# Altium PCB GE21_M1_pku_f100.PcbDoc (part 7 of 19)
Units mm, origin at the board's own origin, x right, y up, seen from the top; angles counter-clockwise.
Board outline 423.9 x 668.59 mm, 8 copper layers (Top Layer, Signal 1, DGNG1, POWER, AGND, DGND2, Signal 2, Bottom Layer), stack 1.03 mm thick; 171 components, 336 nets, 2040 pads, 4872 vias.
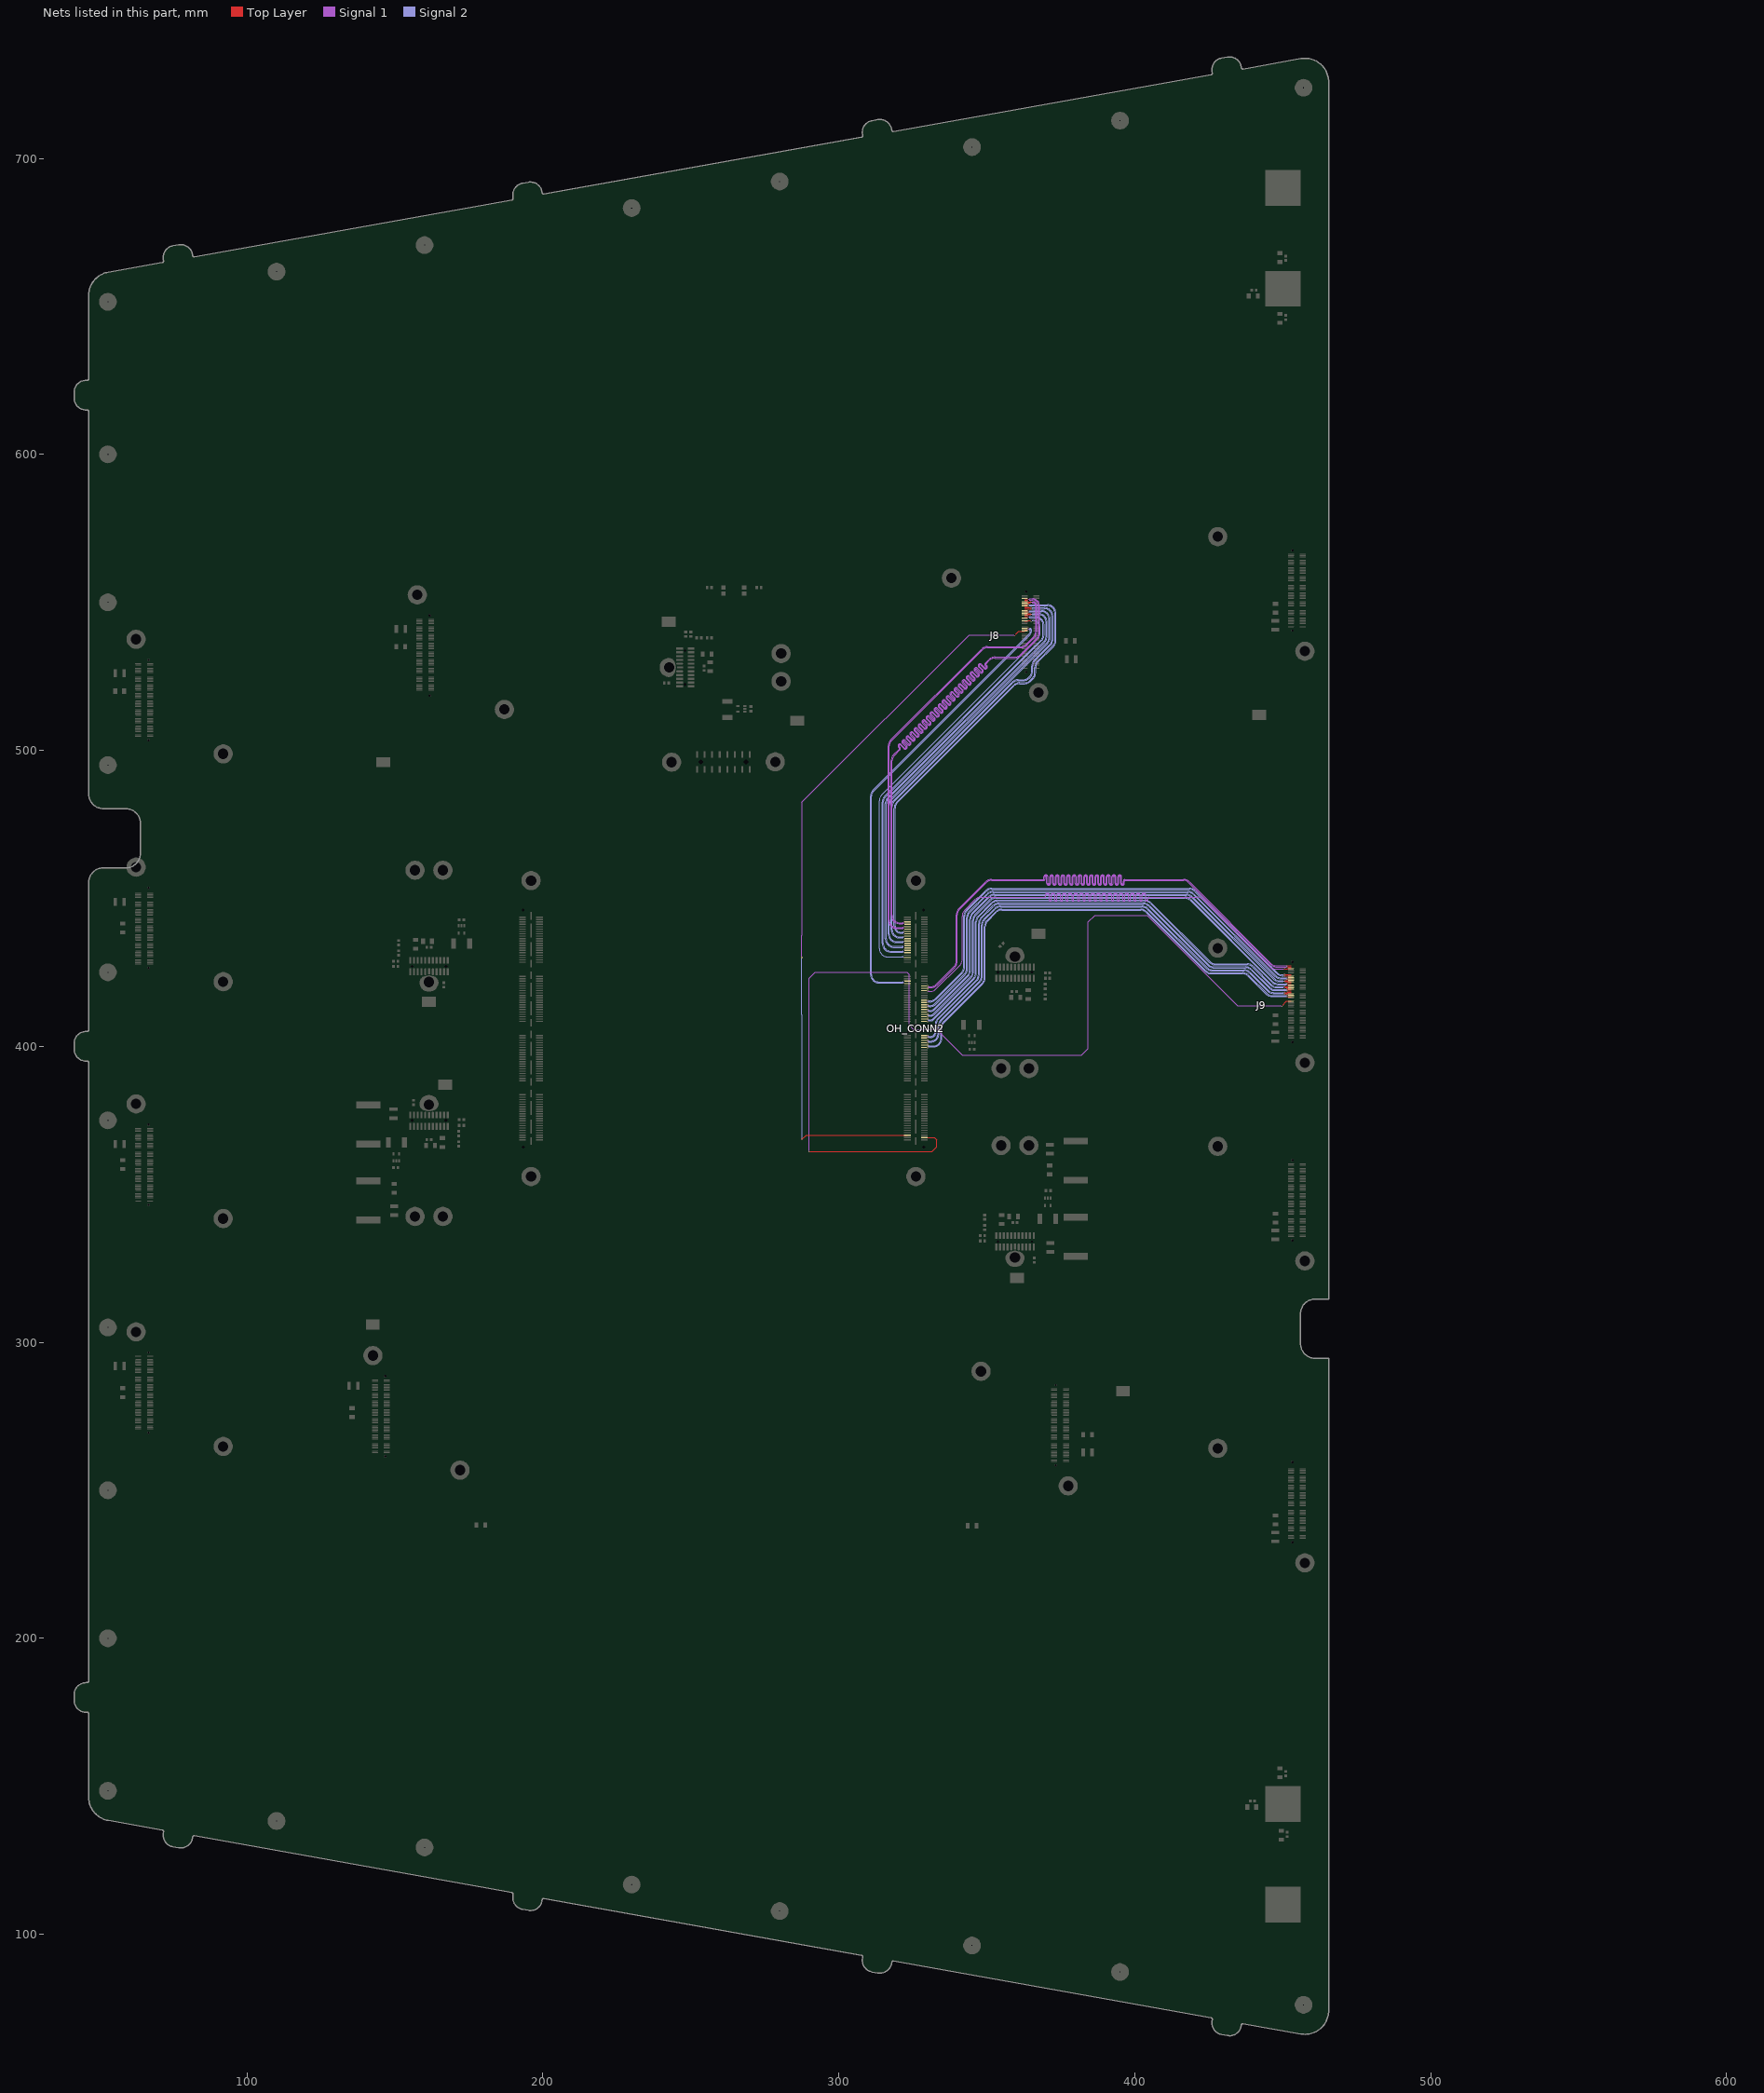
[diagram p13: the nets of this part, all layers, seen from the top]

## Via types
v1: diameter 0.508, hole 0.203, Top Layer to Bottom Layer, tented both sides, 1688 vias
v2: diameter 0.402/0.402/0.402/0.201 (per signal layer), hole 0.201, Top Layer to Bottom Layer, tented both sides, 1040 vias
v3: diameter 0.507, hole 0.202, Top Layer to Bottom Layer, tented both sides, 780 vias
v4: diameter 0.4, hole 0, Top Layer to Bottom Layer, tented both sides, 438 vias
v5: diameter 0.4, hole 0.2, Top Layer to Bottom Layer, tented both sides, 288 vias
v6: diameter 0.51, hole 0.204, Top Layer to Bottom Layer, tented both sides, 288 vias
v7: diameter 0.6/0.4/0.4/0.4 (per signal layer), hole 0.3, Top Layer to Bottom Layer, tented both sides, 254 vias
v8: diameter 0.402, hole 0.201, Top Layer to Bottom Layer, tented both sides, 96 vias

## Nets (pads, with @x,y where several pads share a name; then routed paths per layer and width w, separated by ;. In a path a pad name is that pad's centre, name@x,y a point inside that pad or via, vN(x,y) a via of type N, cw(c..) or ccw(c..) an arc to the next point about the centre after c; other vN are vias at no path point) (continued)
J8D3_P: J8.66 OH_CONN2.125 | length 147.3
  Top Layer w0.115: J8.66@362.75,543.75 363.8,543.75 363.875,543.825 364.698,543.825 cw(c364.698,543.398) v5(365,543.7)
  Signal 2 w0.115: v6(322,430) ccw(c321.457,429.457) 321.457,430.225 316.54,430.225 cw(c316.54,433.115) 313.65,433.115 313.65,482.953 cw(c316.54,482.953) 314.496,484.996 357.5,528 367.256,537.756 ccw(c365.46,539.552) 368,539.552 368,541.325 ccw(c365.5,541.325) 365.5,543.825 365.302,543.825 ccw(c365.302,543.398) v5(365,543.7)
  other v4: 364.93,543.7 365.07,543.7
J8D4_N: J8.72 OH_CONN2.131 | length 146.7
  Top Layer w0.115: v4@363.95,545.25 v5(364,545.3)
  Top Layer w0.25: J8.72@362.75,545.25 v4@363.95,545.25
  Signal 2 w0.115: v6(322,432.4) cw(c321.457,432.943) 321.457,432.175 317.54,432.175 cw(c317.54,434.715) 315,434.715 315,482.453 cw(c317.54,482.453) 315.744,484.249 368.504,537.009 ccw(c366.46,539.052) 369.35,539.052 369.35,542.285 ccw(c366.46,542.285) 366.46,545.175 364.302,545.175 cw(c364.302,545.602) v5(364,545.3)
  other v4: 364.07,545.3
J8D4_P: J8.70 OH_CONN2.129 | length 146.7
  Top Layer w0.115: v4@363.95,544.75 v5(364,544.7)
  Top Layer w0.25: J8.70@362.75,544.75 v4@363.95,544.75
  Signal 2 w0.115: v6(322,431.6) ccw(c321.457,431.057) 321.457,431.825 317.54,431.825 cw(c317.54,434.715) 314.65,434.715 314.65,482.453 cw(c317.54,482.453) 315.496,484.496 365,534 368.256,537.256 ccw(c366.46,539.052) 369,539.052 369,542.285 ccw(c366.46,542.285) 366.46,544.825 364.302,544.825 ccw(c364.302,544.398) v5(364,544.7)
  other v4: 364.07,544.7
J8D5_N: J8.76 OH_CONN2.135 | length 146.1
  Top Layer w0.115: J8.76@362.75,546.25 363.8,546.25 363.875,546.175 364.698,546.175 ccw(c364.698,546.602) v5(365,546.3)
  Signal 2 w0.115: v6(322,434) cw(c321.457,434.543) 321.457,433.775 318.54,433.775 cw(c318.54,436.315) 316,436.315 316,481.953 cw(c318.54,481.953) 316.744,483.749 369.504,536.509 ccw(c367.46,538.552) 370.35,538.552 370.35,543.285 ccw(c367.46,543.285) 367.46,546.175 365.302,546.175 cw(c365.302,546.602) v5(365,546.3)
  other v4: 364.93,546.3 365.07,546.3
J8D5_P: J8.74 OH_CONN2.133 | length 146.1
  Top Layer w0.115: J8.74@362.75,545.75 363.8,545.75 363.875,545.825 364.698,545.825 cw(c364.698,545.398) v5(365,545.7)
  Signal 2 w0.115: v6(322,433.2) ccw(c321.457,432.657) 321.457,433.425 318.54,433.425 cw(c318.54,436.315) 315.65,436.315 315.65,481.953 cw(c318.54,481.953) 316.496,483.996 365.5,533 369.256,536.756 ccw(c367.46,538.552) 370,538.552 370,543.285 ccw(c367.46,543.285) 367.46,545.825 365.302,545.825 ccw(c365.302,545.398) v5(365,545.7)
  other v4: 364.93,545.7 365.07,545.7
J8D6_N: J8.80 OH_CONN2.139 | length 145.5
  Top Layer w0.115: v4@363.95,547.25 v5(364,547.3)
  Top Layer w0.25: J8.80@362.75,547.25 v4@363.95,547.25
  Signal 2 w0.115: v6(322,435.6) cw(c321.457,436.143) 321.457,435.375 319.54,435.375 cw(c319.54,437.915) 317,437.915 317,481.453 cw(c319.54,481.453) 317.744,483.249 370.504,536.009 ccw(c368.46,538.052) 371.35,538.052 371.35,544.285 ccw(c368.46,544.285) 368.46,547.175 364.302,547.175 cw(c364.302,547.602) v5(364,547.3)
  other v4: 364.07,547.3
J8D6_P: J8.78 OH_CONN2.137 | length 145.5
  Top Layer w0.115: v4@363.95,546.75 v5(364,546.7)
  Top Layer w0.25: J8.78@362.75,546.75 v4@363.95,546.75
  Signal 2 w0.115: v6(322,434.8) ccw(c321.457,434.257) 321.457,435.025 319.54,435.025 cw(c319.54,437.915) 316.65,437.915 316.65,481.453 cw(c319.54,481.453) 317.496,483.496 370.256,536.256 ccw(c368.46,538.052) 371,538.052 371,544.285 ccw(c368.46,544.285) 368.46,546.825 364.302,546.825 ccw(c364.302,546.398) v5(364,546.7)
  other v4: 364.07,546.7
J8D7_N: J8.84 OH_CONN2.143 | length 146.8
  Top Layer w0.115: J8.84@362.75,548.25 363.8,548.25 363.875,548.175 364.698,548.175 ccw(c364.698,548.602) v5(365,548.3)
  Signal 2 w0.115: v6(322,437.2) cw(c321.457,437.743) 321.457,436.975 320.54,436.975 cw(c320.54,439.515) 318,439.515 318,480.948 cw(c320.54,480.948) 318.744,482.744 358.756,522.756 cw(c360.552,520.96) 360.552,523.5 362.298,523.5 ccw(c362.298,526.39) 364.341,524.346 364.654,524.659 ccw(c362.61,526.702) 365.5,526.702 365.5,528.453 cw(c368.04,528.453) 366.244,530.249 371.504,535.509 ccw(c369.46,537.552) 372.35,537.552 372.35,545.285 ccw(c369.46,545.285) 369.46,548.175 365.302,548.175 cw(c365.302,548.602) v5(365,548.3)
  other v4: 364.93,548.3 365.07,548.3
J8D7_P: J8.82 OH_CONN2.141 | length 146.8
  Top Layer w0.115: J8.82@362.75,547.75 363.8,547.75 363.875,547.825 364.698,547.825 cw(c364.698,547.398) v5(365,547.7)
  Signal 2 w0.115: v6(322,436.4) ccw(c321.457,435.857) 321.457,436.625 320.54,436.625 cw(c320.54,439.515) 317.65,439.515 317.65,480.948 cw(c320.54,480.948) 318.496,482.991 358.509,523.004 cw(c360.552,520.96) 360.552,523.85 362.298,523.85 ccw(c362.298,526.39) 364.094,524.594 364.406,524.906 ccw(c362.61,526.702) 365.15,526.702 365.15,528.453 cw(c368.04,528.453) 365.996,530.496 371.256,535.756 ccw(c369.46,537.552) 372,537.552 372,545.285 ccw(c369.46,545.285) 369.46,547.825 365.302,547.825 ccw(c365.302,547.398) v5(365,547.7)
  other v4: 364.93,547.7 365.07,547.7
J8D8_N: J8.88 OH_CONN2.147 | length 146.4
  Top Layer w0.115: v4@363.95,549.25 v5(364,549.3)
  Top Layer w0.25: J8.88@362.75,549.25 v4@363.95,549.25
  Signal 2 w0.115: v6(322,438.8) cw(c321.457,439.343) 321.457,438.575 321,438.575 cw(c321,440.575) 319,440.575 319,480.448 cw(c321.54,480.448) 319.744,482.244 359.256,521.756 cw(c361.052,519.96) 361.052,522.5 362.798,522.5 ccw(c362.798,525.39) 364.841,523.346 365.796,524.301 ccw(c364.098,526) 366.5,526 366.5,527.953 cw(c369.04,527.953) 367.244,529.749 372.504,535.009 ccw(c370.46,537.052) 373.35,537.052 373.35,546.285 ccw(c370.46,546.285) 370.46,549.175 364.302,549.175 cw(c364.302,549.602) v5(364,549.3)
  other v4: 364.07,549.3
J8D8_P: J8.86 OH_CONN2.145 | length 146.4
  Top Layer w0.115: v4@363.95,548.75 v5(364,548.7)
  Top Layer w0.25: J8.86@362.75,548.75 v4@363.95,548.75
  Signal 2 w0.115: v6(322,438) ccw(c321.457,437.457) 321.457,438.225 321,438.225 cw(c321,440.575) 318.65,440.575 318.65,480.448 cw(c321.54,480.448) 319.496,482.491 359.009,522.004 cw(c361.052,519.96) 361.052,522.85 362.798,522.85 ccw(c362.798,525.39) 364.594,523.594 365.549,524.549 ccw(c364.098,526) 366.15,526 366.15,527.953 cw(c369.04,527.953) 366.996,529.996 372.256,535.256 ccw(c370.46,537.052) 373,537.052 373,546.285 ccw(c370.46,546.285) 370.46,548.825 364.302,548.825 ccw(c364.302,548.398) v5(364,548.7)
  other v4: 364.07,548.7
J8Reset: J8.52 OH_CONN2.5 | length 249.4
  Top Layer w0.2: v1(287.5,368.5) 289,370 OH_CONN2.5@323.135,370 ; v1(359.5,539) 360.75,540.25 J8.52@362.75,540.25
  Signal 1 w0.2: v1(287.5,430) 287.5,437.5 287.5,482.5 344,539 v1(359.5,539)
  Signal 2 w0.2: v1(287.5,368.5) 287.5,410.75 v1(287.5,430)
J8RXD_N: J8.96 OH_CONN2.155 | length 234.5
  Top Layer w0.115: v4@363.95,551.25 v5(364,551.3)
  Top Layer w0.25: J8.96@362.75,551.25 v4@363.95,551.25
  Signal 1 w0.115: v6(322,442) cw(c321.457,442.543) 321.457,441.775 320.54,441.775 cw(c320.54,444.315) 318,444.315 318,496.448 cw(c320.54,496.448) 318.744,498.244 320.692,500.192 ccw(c320.297,500.586) 320.855,500.586 ccw(c320.297,500.586) 320.692,500.981 320.336,501.337 cw(c320.483,501.484) 320.336,501.632 320.471,501.767 cw(c320.618,501.62) 320.766,501.767 322.02,500.513 ccw(c322.414,500.908) 322.809,500.513 322.945,500.649 ccw(c322.55,501.043) 323.108,501.043 ccw(c322.55,501.043) 322.945,501.438 321.69,502.692 cw(c321.838,502.839) 321.69,502.986 321.826,503.122 cw(c321.973,502.975) 322.12,503.122 323.374,501.868 ccw(c323.769,502.263) 324.164,501.868 324.299,502.003 ccw(c323.905,502.398) 324.463,502.398 ccw(c323.905,502.398) 324.299,502.793 323.045,504.047 cw(c323.192,504.194) 323.045,504.341 323.181,504.477 cw(c323.328,504.33) 323.475,504.477 324.729,503.223 ccw(c325.124,503.617) 325.519,503.223 325.654,503.358 ccw(c325.259,503.753) 325.818,503.753 ccw(c325.259,503.753) 325.654,504.148 324.4,505.402 cw(c324.547,505.549) 324.4,505.696 324.536,505.832 cw(c324.683,505.684) 324.83,505.832 326.084,504.577 ccw(c326.479,504.972) 326.874,504.577 327.009,504.713 ccw(c326.614,505.108) 327.173,505.108 ccw(c326.614,505.108) 327.009,505.502 325.755,506.756 cw(c325.902,506.904) 325.755,507.051 325.89,507.186 cw(c326.038,507.039) 326.185,507.186 327.439,505.932 ccw(c327.834,506.327) 328.228,505.932 328.364,506.068 ccw(c327.969,506.462) 328.527,506.462 ccw(c327.969,506.462) 328.364,506.857 327.11,508.111 cw(c327.257,508.259) 327.11,508.406 ; 327.11,508.406 327.245,508.541 cw(c327.392,508.394) 327.54,508.541 328.794,507.287 ccw(c329.188,507.682) 329.583,507.287 329.719,507.423 ccw(c329.324,507.817) 329.882,507.817 ccw(c329.324,507.817) 329.719,508.212 328.465,509.466 cw(c328.612,509.613) 328.465,509.761 328.6,509.896 cw(c328.747,509.749) 328.894,509.896 330.149,508.642 ccw(c330.543,509.037) 330.938,508.642 331.073,508.777 ccw(c330.679,509.172) 331.237,509.172 ccw(c330.679,509.172) 331.073,509.567 329.819,510.821 cw(c329.967,510.968) 329.819,511.115 329.955,511.251 cw(c330.102,511.104) 330.249,511.251 331.503,509.997 ccw(c331.898,510.391) 332.293,509.997 332.428,510.132 ccw(c332.034,510.527) 332.592,510.527 ccw(c332.034,510.527) 332.428,510.922 331.174,512.176 cw(c331.321,512.323) 331.174,512.47 331.31,512.606 cw(c331.457,512.458) 331.604,512.606 332.858,511.352 ccw(c333.253,511.746) 333.648,511.352 333.783,511.487 ccw(c333.388,511.882) 333.947,511.882 ccw(c333.388,511.882) 333.783,512.276 332.529,513.531 cw(c332.676,513.678) 332.529,513.825 332.664,513.96 cw(c332.812,513.813) 332.959,513.96 334.213,512.706 ccw(c334.608,513.101) 335.002,512.706 335.138,512.842 ccw(c334.743,513.237) 335.301,513.237 ccw(c334.743,513.237) 335.138,513.631 333.884,514.885 cw(c334.031,515.033) 333.884,515.18 334.019,515.315 cw(c334.166,515.168) 334.314,515.315 335.568,514.061 ccw(c335.963,514.456) 336.357,514.061 336.493,514.197 ccw(c336.098,514.591) 336.656,514.591 ccw(c336.098,514.591) 336.493,514.986 335.239,516.24 cw(c335.386,516.387) 335.239,516.535 335.374,516.67 cw(c335.521,516.523) 335.669,516.67 336.923,515.416 ccw(c337.317,515.811) 337.712,515.416 337.848,515.551 ccw(c337.453,515.946) 338.011,515.946 ccw(c337.453,515.946) 337.848,516.341 336.593,517.595 cw(c336.741,517.742) 336.593,517.889 336.729,518.025 cw(c336.876,517.878) 337.023,518.025 338.277,516.771 ccw(c338.672,517.166) 339.067,516.771 339.202,516.906 ccw(c338.808,517.301) 339.366,517.301 ccw(c338.808,517.301) 339.202,517.696 337.948,518.95 cw(c338.095,519.097) 337.948,519.244 338.084,519.38 cw(c338.231,519.233) 338.378,519.38 339.632,518.126 ccw(c340.027,518.52) 340.422,518.126 340.557,518.261 ccw(c340.162,518.656) 340.721,518.656 ccw(c340.162,518.656) 340.557,519.051 339.303,520.305 cw(c339.45,520.452) 339.303,520.599 339.438,520.734 cw(c339.586,520.587) 339.733,520.735 340.987,519.48 ccw(c341.382,519.875) 341.776,519.48 341.912,519.616 ccw(c341.517,520.011) 342.075,520.011 ccw(c341.517,520.011) 341.912,520.405 340.658,521.659 cw(c340.805,521.807) 340.658,521.954 340.793,522.089 cw(c340.941,521.942) 341.088,522.089 342.342,520.835 ccw(c342.737,521.23) 343.131,520.835 343.267,520.971 ccw(c342.872,521.365) 343.43,521.365 ccw(c342.872,521.365) 343.267,521.76 342.013,523.014 cw(c342.16,523.162) 342.013,523.309 342.148,523.444 cw(c342.295,523.297) 342.443,523.444 343.697,522.19 ccw(c344.091,522.585) 344.486,522.19 344.622,522.326 ccw(c344.227,522.72) 344.785,522.72 ccw(c344.227,522.72) 344.622,523.115 343.367,524.369 cw(c343.515,524.516) 343.367,524.664 343.503,524.799 cw(c343.65,524.652) 343.797,524.799 345.052,523.545 ccw(c345.446,523.94) 345.841,523.545 345.976,523.68 ccw(c345.582,524.075) 346.14,524.075 ccw(c345.582,524.075) 345.976,524.47 344.722,525.724 cw(c344.87,525.871) 344.722,526.018 344.858,526.154 cw(c345.005,526.007) 345.152,526.154 346.406,524.9 ccw(c346.801,525.294) 347.196,524.9 347.331,525.035 ccw(c346.937,525.43) 347.495,525.43 ccw(c346.937,525.43) 347.331,525.825 346.077,527.079 cw(c346.224,527.226) 346.077,527.373 ; 346.077,527.373 346.213,527.509 cw(c346.36,527.361) 346.507,527.509 347.761,526.255 ccw(c348.156,526.649) 348.551,526.255 348.686,526.39 ccw(c348.291,526.785) 348.85,526.785 ccw(c348.291,526.785) 348.686,527.179 347.432,528.434 cw(c347.579,528.581) 347.432,528.728 347.567,528.863 cw(c347.715,528.716) 347.862,528.863 349.116,527.609 ccw(c349.511,528.004) 349.905,527.609 350.041,527.745 ccw(c349.646,528.14) 350.204,528.14 ccw(c349.646,528.14) 350.041,528.534 349.685,528.89 cw(c349.832,529.038) 349.685,529.185 350.906,530.406 cw(c352.702,528.61) 352.702,531.15 359.448,531.15 ccw(c359.448,534.04) 361.491,531.996 ; 361.491,531.996 367.004,537.509 ccw(c364.96,539.552) 367.85,539.552 367.85,548.825 ccw(c365.5,548.825) 365.5,551.175 364.302,551.175 cw(c364.302,551.602) v5(364,551.3)
  other v4: 364.07,551.3
J8RXD_P: J8.94 OH_CONN2.153 | length 234.5
  Top Layer w0.115: v4@363.95,550.75 v5(364,550.7)
  Top Layer w0.25: J8.94@362.75,550.75 v4@363.95,550.75
  Signal 1 w0.115: 320.223,502.014 320.088,501.879 ccw(c320.483,501.484) 320.088,501.09 320.444,500.734 cw(c320.297,500.586) 320.505,500.586 cw(c320.297,500.586) 320.444,500.439 318.496,498.491 ccw(c320.54,496.448) 317.65,496.448 317.65,444.315 ccw(c320.54,444.315) 320.54,441.425 321.457,441.425 cw(c321.457,440.657) v6(322,441.2) ; 320.224,502.015 cw(c320.618,501.62) 321.013,502.015 322.267,500.761 ccw(c322.414,500.908) 322.562,500.761 322.697,500.896 ccw(c322.55,501.043) 322.758,501.043 ccw(c322.55,501.043) 322.697,501.19 321.443,502.445 cw(c321.838,502.839) 321.443,503.234 321.578,503.369 cw(c321.973,502.975) 322.368,503.369 323.622,502.115 ccw(c323.769,502.263) 323.916,502.115 324.052,502.251 ccw(c323.905,502.398) 324.113,502.398 ccw(c323.905,502.398) 324.052,502.545 322.798,503.799 cw(c323.192,504.194) 322.798,504.589 322.933,504.724 cw(c323.328,504.33) 323.723,504.724 324.977,503.47 ccw(c325.124,503.617) 325.271,503.47 325.407,503.606 ccw(c325.259,503.753) 325.468,503.753 ccw(c325.259,503.753) 325.407,503.9 324.153,505.154 cw(c324.547,505.549) 324.153,505.944 324.288,506.079 cw(c324.683,505.684) 325.077,506.079 326.332,504.825 ccw(c326.479,504.972) 326.626,504.825 326.762,504.96 ccw(c326.614,505.108) 326.823,505.108 ccw(c326.614,505.108) 326.762,505.255 325.507,506.509 cw(c325.902,506.904) 325.507,507.298 325.643,507.434 cw(c326.038,507.039) 326.432,507.434 327.686,506.18 ccw(c327.834,506.327) 327.981,506.18 328.116,506.315 ccw(c327.969,506.462) 328.177,506.462 ccw(c327.969,506.462) 328.116,506.61 326.862,507.864 cw(c327.257,508.259) 326.862,508.653 326.998,508.789 ; 326.998,508.789 cw(c327.392,508.394) 327.787,508.789 329.041,507.535 ccw(c329.188,507.682) 329.336,507.535 ; 329.336,507.535 329.471,507.67 ccw(c329.324,507.817) 329.532,507.817 ccw(c329.324,507.817) 329.471,507.965 328.844,508.591 328.217,509.219 cw(c328.612,509.613) 328.217,510.008 328.352,510.143 cw(c328.747,509.749) 329.142,510.144 330.396,508.889 ccw(c330.543,509.037) 330.69,508.889 330.826,509.025 ccw(c330.679,509.172) 330.887,509.172 ccw(c330.679,509.172) 330.826,509.319 329.572,510.573 cw(c329.967,510.968) 329.572,511.363 329.707,511.498 ; 329.707,511.498 cw(c330.102,511.104) 330.497,511.498 331.751,510.244 ccw(c331.898,510.391) 332.045,510.244 332.181,510.38 ccw(c332.034,510.527) 332.242,510.527 ccw(c332.034,510.527) 332.181,510.674 330.927,511.928 cw(c331.321,512.323) 330.927,512.718 331.062,512.853 cw(c331.457,512.458) 331.852,512.853 333.106,511.599 ccw(c333.253,511.746) 333.4,511.599 333.536,511.735 ccw(c333.388,511.882) 333.597,511.882 ccw(c333.388,511.882) 333.536,512.029 332.281,513.283 cw(c332.676,513.678) 332.281,514.072 332.417,514.208 cw(c332.812,513.813) 333.206,514.208 334.46,512.954 ccw(c334.608,513.101) 334.755,512.954 334.89,513.089 ccw(c334.743,513.237) 334.951,513.237 ccw(c334.743,513.237) 334.89,513.384 333.636,514.638 cw(c334.031,515.033) 333.636,515.427 333.772,515.563 cw(c334.166,515.168) 334.561,515.563 335.815,514.309 ccw(c335.963,514.456) 336.11,514.309 336.245,514.444 ccw(c336.098,514.591) 336.306,514.591 ccw(c336.098,514.591) 336.245,514.739 334.991,515.993 cw(c335.386,516.387) 334.991,516.782 335.127,516.918 cw(c335.521,516.523) 335.916,516.918 337.17,515.663 ccw(c337.317,515.811) 337.465,515.663 337.6,515.799 ccw(c337.453,515.946) 337.661,515.946 ccw(c337.453,515.946) 337.6,516.093 336.346,517.348 cw(c336.741,517.742) 336.346,518.137 336.481,518.272 cw(c336.876,517.878) 337.271,518.272 338.525,517.018 ccw(c338.672,517.166) 338.819,517.018 338.955,517.154 ccw(c338.808,517.301) 339.016,517.301 ccw(c338.808,517.301) 338.955,517.448 337.701,518.702 cw(c338.095,519.097) 337.701,519.492 337.836,519.627 cw(c338.231,519.233) 338.626,519.627 339.88,518.373 ccw(c340.027,518.52) 340.174,518.373 340.31,518.508 ccw(c340.162,518.656) 340.371,518.656 ccw(c340.162,518.656) 340.31,518.803 339.056,520.057 cw(c339.45,520.452) 339.056,520.847 339.191,520.982 ; 339.191,520.982 cw(c339.586,520.587) 339.98,520.982 341.235,519.728 ccw(c341.382,519.875) 341.529,519.728 341.664,519.863 ccw(c341.517,520.011) 341.725,520.011 ccw(c341.517,520.011) 341.664,520.158 340.41,521.412 cw(c340.805,521.807) 340.41,522.201 340.546,522.337 cw(c340.941,521.942) 341.335,522.337 342.589,521.083 ccw(c342.737,521.23) 342.884,521.083 343.019,521.218 ccw(c342.872,521.365) 343.08,521.365 ccw(c342.872,521.365) 343.019,521.513 341.765,522.767 cw(c342.16,523.162) 341.765,523.556 341.901,523.692 cw(c342.295,523.297) 342.69,523.692 343.944,522.438 ccw(c344.091,522.585) 344.239,522.438 344.374,522.573 ccw(c344.227,522.72) 344.435,522.72 ccw(c344.227,522.72) 344.374,522.867 343.12,524.122 cw(c343.515,524.516) 343.12,524.911 343.255,525.047 cw(c343.65,524.652) 344.045,525.047 345.299,523.792 ccw(c345.446,523.94) 345.593,523.792 345.729,523.928 ccw(c345.582,524.075) 345.79,524.075 ccw(c345.582,524.075) 345.729,524.222 344.475,525.476 cw(c344.87,525.871) 344.475,526.266 344.61,526.401 cw(c345.005,526.007) 345.4,526.401 346.654,525.147 ccw(c346.801,525.294) 346.948,525.147 347.084,525.283 ccw(c346.937,525.43) 347.145,525.43 ccw(c346.937,525.43) 347.084,525.577 345.83,526.831 cw(c346.224,527.226) 345.83,527.621 345.965,527.756 cw(c346.36,527.361) 346.755,527.756 348.009,526.502 ccw(c348.156,526.649) 348.303,526.502 ; 348.303,526.502 348.439,526.637 ccw(c348.291,526.785) 348.5,526.785 ccw(c348.291,526.785) 348.439,526.932 347.184,528.186 cw(c347.579,528.581) 347.184,528.975 347.32,529.111 cw(c347.715,528.716) 348.109,529.111 349.363,527.857 ccw(c349.511,528.004) 349.658,527.857 349.793,527.992 ccw(c349.646,528.14) 349.854,528.14 ccw(c349.646,528.14) 349.793,528.287 349.437,528.643 cw(c349.832,529.038) 349.437,529.432 350.659,530.654 cw(c352.702,528.61) 352.702,531.5 359.448,531.5 ccw(c359.448,534.04) 361.244,532.244 366.756,537.756 ccw(c364.96,539.552) 367.5,539.552 367.5,548.825 ccw(c365.5,548.825) 365.5,550.825 364.302,550.825 ccw(c364.302,550.398) v5(364,550.7)
  other v4: 364.07,550.7
J8Strobe_N: J8.56 OH_CONN2.115 | length 153.7
  Top Layer w0.115: v4@363.95,541.25 v5(364,541.3)
  Top Layer w0.25: J8.56@362.75,541.25 v4@363.95,541.25
  Signal 2 w0.115: v6(322,422) cw(c321.457,422.543) 321.457,421.775 313.54,421.775 cw(c313.54,424.315) 311,424.315 311,484.453 cw(c313.54,484.453) 311.744,486.249 364.497,539.003 ccw(c363.043,540.457) 365.1,540.457 365.1,540.575 ccw(c364.5,540.575) 364.5,541.175 364.302,541.175 cw(c364.302,541.602) v5(364,541.3)
  other v4: 364.07,541.3
J8Strobe_P: J8.54 OH_CONN2.113 | length 153.7
  Top Layer w0.115: v4@363.95,540.75 v5(364,540.7)
  Top Layer w0.25: J8.54@362.75,540.75 v4@363.95,540.75
  Signal 2 w0.115: v6(322,421.2) ccw(c321.457,420.657) 321.457,421.425 313.54,421.425 cw(c313.54,424.315) 310.65,424.315 310.65,484.453 cw(c313.54,484.453) 311.496,486.496 357,532 364.25,539.25 ccw(c363.043,540.457) 364.75,540.457 364.75,540.575 ccw(c364.5,540.575) 364.5,540.825 364.302,540.825 ccw(c364.302,540.398) v5(364,540.7)
  other v4: 364.07,540.7
J8TXD_N: J8.92 OH_CONN2.151 | length 145.7
  Top Layer w0.115: J8.92@362.75,550.25 363.8,550.25 363.875,550.175 364.698,550.175 ccw(c364.698,550.602) v5(365,550.3)
  Signal 1 w0.115: v6(322,440.4) cw(c321.457,440.943) 321.457,440.175 319.54,440.175 cw(c319.54,442.715) 317,442.715 317,501.448 cw(c319.54,501.448) 317.744,503.244 348.406,533.906 cw(c350.202,532.11) 350.202,534.65 361.448,534.65 ccw(c361.448,537.54) 363.491,535.496 ; 363.491,535.496 366.004,538.009 ccw(c363.96,540.052) 366.85,540.052 366.85,548.976 ccw(c365.651,548.976) 366.544,549.775 ccw(c365.651,548.976) 366.451,549.869 ccw(c365.651,548.976) 365.651,550.175 365.302,550.175 cw(c365.302,550.602) v5(365,550.3)
  other v4: 364.93,550.3 365.07,550.3
J8TXD_P: J8.90 OH_CONN2.149 | length 145.7
  Top Layer w0.115: J8.90@362.75,549.75 363.8,549.75 363.875,549.825 364.698,549.825 cw(c364.698,549.398) v5(365,549.7)
  Signal 1 w0.115: v6(322,439.6) ccw(c321.457,439.057) 321.457,439.825 319.54,439.825 cw(c319.54,442.715) 316.65,442.715 316.65,501.448 cw(c319.54,501.448) 317.496,503.491 348.159,534.154 ; 348.159,534.154 cw(c350.202,532.11) 350.202,535 361.448,535 ccw(c361.448,537.54) 363.244,535.744 365.756,538.256 ccw(c363.96,540.052) 366.5,540.052 366.5,548.976 ccw(c365.651,548.976) 366.29,549.535 ccw(c365.651,548.976) 366.21,549.614 ccw(c365.651,548.976) 365.651,549.825 365.302,549.825 ccw(c365.302,549.398) v5(365,549.7)
  other v4: 364.93,549.7 365.07,549.7
J9CLK_N: J9.100 OH_CONN2.112 | length 234.6
  Top Layer w0.25: v5(451.5,427.3) 451.55,427.25 J9.100@452.75,427.25
  Signal 1 w0.115: v6(330,420.4) ccw(c330.543,420.943) 330.543,420.175 331.123,420.175 ccw(c331.123,422.715) 332.919,420.919 338.906,426.906 ccw(c337.11,428.702) 339.65,428.702 339.65,444.448 cw(c342.54,444.448) 340.496,446.491 349.509,455.504 cw(c351.552,453.46) 351.552,456.35 369.096,456.35 ccw(c369.096,456.558) 369.304,456.558 369.304,457.298 cw(c369.862,457.298) 369.862,457.856 370.054,457.856 cw(c370.054,457.298) 370.612,457.298 370.612,455.052 ccw(c370.82,455.052) 370.82,454.844 371.012,454.844 ccw(c371.012,455.052) 371.22,455.052 371.22,457.298 cw(c371.778,457.298) 371.778,457.856 371.97,457.856 cw(c371.97,457.298) 372.528,457.298 372.528,455.052 ccw(c372.736,455.052) 372.736,454.844 372.928,454.844 ccw(c372.928,455.052) 373.136,455.052 373.136,457.298 cw(c373.694,457.298) 373.694,457.856 373.886,457.856 cw(c373.886,457.298) 374.444,457.298 374.444,455.052 ccw(c374.652,455.052) 374.652,454.844 374.844,454.844 ccw(c374.844,455.052) 375.052,455.052 375.052,457.298 cw(c375.61,457.298) 375.61,457.856 375.802,457.856 cw(c375.802,457.298) 376.36,457.298 376.36,455.052 ccw(c376.568,455.052) 376.568,454.844 376.76,454.844 ccw(c376.76,455.052) 376.968,455.052 376.968,457.298 cw(c377.526,457.298) 377.526,457.856 377.718,457.856 cw(c377.718,457.298) 378.276,457.298 378.276,455.052 ccw(c378.484,455.052) 378.484,454.844 378.676,454.844 ccw(c378.676,455.052) 378.884,455.052 378.884,457.298 cw(c379.442,457.298) 379.442,457.856 379.634,457.856 cw(c379.634,457.298) 380.192,457.298 380.192,455.052 ccw(c380.4,455.052) 380.4,454.844 380.592,454.844 ccw(c380.592,455.052) 380.8,455.052 380.8,457.298 cw(c381.358,457.298) 381.358,457.856 381.55,457.856 cw(c381.55,457.298) 382.108,457.298 382.108,455.052 ccw(c382.316,455.052) 382.316,454.844 382.508,454.844 ccw(c382.508,455.052) 382.716,455.052 382.716,457.298 cw(c383.274,457.298) 383.274,457.856 383.466,457.856 cw(c383.466,457.298) 384.024,457.298 384.024,455.052 ccw(c384.232,455.052) 384.232,454.844 384.424,454.844 ccw(c384.424,455.052) 384.632,455.052 384.632,457.298 cw(c385.19,457.298) 385.19,457.856 385.382,457.856 cw(c385.382,457.298) 385.94,457.298 385.94,455.052 ccw(c386.148,455.052) 386.148,454.844 386.34,454.844 ccw(c386.34,455.052) 386.548,455.052 386.548,457.298 cw(c387.106,457.298) 387.106,457.856 387.298,457.856 cw(c387.298,457.298) 387.856,457.298 387.856,455.052 ccw(c388.064,455.052) 388.064,454.844 388.256,454.844 ccw(c388.256,455.052) 388.464,455.052 388.464,457.298 cw(c389.022,457.298) 389.022,457.856 389.214,457.856 cw(c389.214,457.298) 389.772,457.298 389.772,455.052 ccw(c389.98,455.052) 389.98,454.844 390.172,454.844 ccw(c390.172,455.052) 390.38,455.052 390.38,457.298 cw(c390.938,457.298) 390.938,457.856 391.13,457.856 cw(c391.13,457.298) 391.688,457.298 391.688,455.052 ccw(c391.896,455.052) 391.896,454.844 392.088,454.844 ccw(c392.088,455.052) 392.296,455.052 392.296,457.298 cw(c392.854,457.298) 392.854,457.856 393.046,457.856 cw(c393.046,457.298) 393.604,457.298 393.604,455.052 ccw(c393.812,455.052) 393.812,454.844 394.004,454.844 ccw(c394.004,455.052) 394.212,455.052 394.212,457.298 cw(c394.77,457.298) 394.77,457.856 394.962,457.856 cw(c394.962,457.298) 395.52,457.298 395.52,455.052 ccw(c395.728,455.052) 395.728,454.844 395.92,454.844 ccw(c395.92,455.052) 396.128,455.052 396.128,455.792 cw(c396.686,455.792) 396.686,456.35 416.453,456.35 cw(c416.453,453.46) 418.496,455.504 446.081,427.919 ccw(c447.877,429.715) 447.877,427.175 451.198,427.175 ccw(c451.198,427.602) v5(451.5,427.3)
  other v4: 451.43,427.3
J9CLK_P: J9.98 OH_CONN2.110 | length 234.6
  Top Layer w0.25: v5(451.5,426.7) 451.55,426.75 J9.98@452.75,426.75
  Signal 1 w0.115: v6(330,419.6) cw(c330.543,419.057) 330.543,419.825 331.123,419.825 ccw(c331.123,422.715) 333.166,420.671 339.154,426.659 ccw(c337.11,428.702) 340,428.702 340,444.448 cw(c342.54,444.448) 340.744,446.244 349.756,455.256 cw(c351.552,453.46) 351.552,456 369.096,456 ccw(c369.096,456.558) 369.654,456.558 369.654,457.298 cw(c369.862,457.298) 369.862,457.506 370.054,457.506 cw(c370.054,457.298) 370.262,457.298 370.262,455.052 ccw(c370.82,455.052) 370.82,454.494 371.012,454.494 ccw(c371.012,455.052) 371.57,455.052 371.57,457.298 cw(c371.778,457.298) 371.778,457.506 371.97,457.506 cw(c371.97,457.298) 372.178,457.298 372.178,455.052 ccw(c372.736,455.052) 372.736,454.494 372.928,454.494 ccw(c372.928,455.052) 373.486,455.052 373.486,457.298 cw(c373.694,457.298) 373.694,457.506 373.886,457.506 cw(c373.886,457.298) 374.094,457.298 374.094,455.052 ccw(c374.652,455.052) 374.652,454.494 374.844,454.494 ccw(c374.844,455.052) 375.402,455.052 375.402,457.298 cw(c375.61,457.298) 375.61,457.506 375.802,457.506 cw(c375.802,457.298) 376.01,457.298 376.01,455.052 ccw(c376.568,455.052) 376.568,454.494 376.76,454.494 ccw(c376.76,455.052) 377.318,455.052 377.318,457.298 cw(c377.526,457.298) 377.526,457.506 377.718,457.506 cw(c377.718,457.298) 377.926,457.298 377.926,455.052 ccw(c378.484,455.052) 378.484,454.494 378.676,454.494 ccw(c378.676,455.052) 379.234,455.052 379.234,457.298 cw(c379.442,457.298) 379.442,457.506 379.634,457.506 cw(c379.634,457.298) 379.842,457.298 379.842,455.052 ccw(c380.4,455.052) 380.4,454.494 380.592,454.494 ccw(c380.592,455.052) 381.15,455.052 381.15,457.298 cw(c381.358,457.298) 381.358,457.506 381.55,457.506 cw(c381.55,457.298) 381.758,457.298 381.758,455.052 ccw(c382.316,455.052) 382.316,454.494 382.508,454.494 ccw(c382.508,455.052) 383.066,455.052 383.066,457.298 cw(c383.274,457.298) 383.274,457.506 383.466,457.506 cw(c383.466,457.298) 383.674,457.298 383.674,455.052 ccw(c384.232,455.052) 384.232,454.494 384.424,454.494 ccw(c384.424,455.052) 384.982,455.052 384.982,457.298 cw(c385.19,457.298) 385.19,457.506 385.382,457.506 cw(c385.382,457.298) 385.59,457.298 385.59,455.052 ccw(c386.148,455.052) 386.148,454.494 386.34,454.494 ccw(c386.34,455.052) 386.898,455.052 386.898,457.298 cw(c387.106,457.298) 387.106,457.506 387.298,457.506 cw(c387.298,457.298) 387.506,457.298 387.506,455.052 ccw(c388.064,455.052) 388.064,454.494 388.256,454.494 ccw(c388.256,455.052) 388.814,455.052 388.814,457.298 cw(c389.022,457.298) 389.022,457.506 389.214,457.506 cw(c389.214,457.298) 389.422,457.298 389.422,455.052 ccw(c389.98,455.052) 389.98,454.494 390.172,454.494 ccw(c390.172,455.052) 390.73,455.052 390.73,457.298 cw(c390.938,457.298) 390.938,457.506 391.13,457.506 cw(c391.13,457.298) 391.338,457.298 391.338,455.052 ccw(c391.896,455.052) 391.896,454.494 392.088,454.494 ccw(c392.088,455.052) 392.646,455.052 392.646,457.298 cw(c392.854,457.298) 392.854,457.506 393.046,457.506 cw(c393.046,457.298) 393.254,457.298 393.254,455.052 ccw(c393.812,455.052) 393.812,454.494 394.004,454.494 ccw(c394.004,455.052) 394.562,455.052 394.562,457.298 cw(c394.77,457.298) 394.77,457.506 394.962,457.506 cw(c394.962,457.298) 395.17,457.298 395.17,455.052 ccw(c395.728,455.052) 395.728,454.494 395.92,454.494 ccw(c395.92,455.052) 396.478,455.052 396.478,455.792 cw(c396.686,455.792) 396.686,456 416.453,456 cw(c416.453,453.46) 418.249,455.256 445.834,427.671 ccw(c447.877,429.715) 447.877,426.825 451.198,426.825 cw(c451.198,426.398) v5(451.5,426.7)
  other v4: 451.43,426.7
J9D1_N: J9.60 OH_CONN2.72 | length 167.7
  Top Layer w0.25: v5(451.5,417.3) 451.55,417.25 J9.60@452.75,417.25
  Signal 2 w0.115: v6(330,400.4) ccw(c330.543,400.943) 330.543,400.175 331.96,400.175 ccw(c331.96,402.715) 331.967,400.175 ccw(c331.96,402.715) 334.5,402.715 334.5,406.298 cw(c337.39,406.298) 335.346,408.341 348.406,421.401 ccw(c346.61,423.197) 349.15,423.197 349.15,440.448 cw(c352.04,440.448) 349.996,442.491 353.009,445.504 cw(c355.052,443.46) 355.052,446.35 401.953,446.35 cw(c401.953,443.46) 403.996,445.504 423.906,425.594 ccw(c425.702,427.39) 425.702,424.85 436.453,424.85 cw(c436.453,421.96) 438.496,424.004 444.581,417.919 ccw(c446.377,419.715) 446.377,417.175 451.198,417.175 ccw(c451.198,417.602) v5(451.5,417.3)
  other v4: 451.43,417.3
J9D1_P: J9.58 OH_CONN2.70 | length 167.7
  Top Layer w0.25: v5(451.5,416.7) 451.55,416.75 J9.58@452.75,416.75
  Signal 2 w0.115: v6(330,399.6) cw(c330.543,399.057) 330.543,399.825 331.96,399.825 ccw(c331.96,402.715) 331.968,399.825 ccw(c331.96,402.715) 334.85,402.715 334.85,406.298 cw(c337.39,406.298) 335.594,408.094 348.654,421.154 ; 348.654,421.154 ccw(c346.61,423.197) 349.5,423.197 349.5,440.448 cw(c352.04,440.448) 350.244,442.244 353.256,445.256 cw(c355.052,443.46) 355.052,446 401.953,446 cw(c401.953,443.46) 403.749,445.256 423.659,425.346 ccw(c425.702,427.39) 425.702,424.5 436.453,424.5 cw(c436.453,421.96) 438.249,423.756 444.334,417.671 ccw(c446.377,419.715) 446.377,416.825 451.198,416.825 cw(c451.198,416.398) v5(451.5,416.7)
  other v4: 451.43,416.7
J9D2_N: J9.64 OH_CONN2.76 | length 166.9
  Top Layer w0.115: v5(450.5,418.3) ccw(c450.802,418.602) 450.802,418.175 451.625,418.175 451.7,418.25 J9.64@452.75,418.25
  Signal 2 w0.115: v6(330,402) ccw(c330.543,402.543) 330.543,401.775 331,401.775 ccw(c331,404.275) 333.5,404.275 333.5,406.798 cw(c336.39,406.798) 334.346,408.841 347.406,421.901 ccw(c345.61,423.697) 348.15,423.697 348.15,440.948 cw(c351.04,440.948) 348.996,442.991 352.509,446.504 cw(c354.552,444.46) 354.552,447.35 402.453,447.35 cw(c402.453,444.46) 404.496,446.504 424.406,426.594 ccw(c426.202,428.39) 426.202,425.85 436.953,425.85 cw(c436.953,422.96) 438.996,425.004 445.081,418.919 ccw(c446.877,420.715) 446.877,418.175 450.198,418.175 ccw(c450.198,418.602) v5(450.5,418.3)
  other v4: 450.43,418.3 450.57,418.3
J9D2_P: J9.62 OH_CONN2.74 | length 166.9
  Top Layer w0.115: v5(450.5,417.7) cw(c450.802,417.398) 450.802,417.825 451.625,417.825 451.7,417.75 J9.62@452.75,417.75
  Signal 2 w0.115: v6(330,401.2) cw(c330.543,400.657) 330.543,401.425 331,401.425 ccw(c331,404.275) 333.85,404.275 333.85,406.798 cw(c336.39,406.798) 334.594,408.594 347.654,421.654 ; 347.654,421.654 ccw(c345.61,423.697) 348.5,423.697 348.5,440.948 cw(c351.04,440.948) 349.244,442.744 352.756,446.256 cw(c354.552,444.46) 354.552,447 402.453,447 cw(c402.453,444.46) 404.249,446.256 424.159,426.346 ccw(c426.202,428.39) 426.202,425.5 436.953,425.5 cw(c436.953,422.96) 438.749,424.756 444.834,418.671 ccw(c446.877,420.715) 446.877,417.825 450.198,417.825 cw(c450.198,417.398) v5(450.5,417.7)
  other v4: 450.43,417.7 450.57,417.7
J9D3_N: J9.68 OH_CONN2.80 | length 166.4
  Top Layer w0.25: v5(451.5,419.3) 451.55,419.25 J9.68@452.75,419.25
  Signal 2 w0.115: v6(330,403.6) ccw(c330.543,404.143) 330.543,403.375 331,403.375 ccw(c331,404.875) 332.5,404.875 332.5,407.298 cw(c335.39,407.298) 333.346,409.341 346.406,422.401 ccw(c344.61,424.197) 347.15,424.197 347.15,441.448 cw(c350.04,441.448) 347.996,443.491 352.009,447.504 cw(c354.052,445.46) 354.052,448.35 402.953,448.35 cw(c402.953,445.46) 404.996,447.504 424.906,427.594 ccw(c426.702,429.39) 426.702,426.85 437.453,426.85 cw(c437.453,423.96) 439.496,426.004 445.581,419.919 ccw(c447.377,421.715) 447.377,419.175 451.198,419.175 ccw(c451.198,419.602) v5(451.5,419.3)
  other v4: 451.43,419.3
J9D3_P: J9.66 OH_CONN2.78 | length 166.4
  Top Layer w0.25: v5(451.5,418.7) 451.55,418.75 J9.66@452.75,418.75
  Signal 2 w0.115: v6(330,402.8) cw(c330.543,402.257) 330.543,403.025 331,403.025 ccw(c331,404.875) 332.85,404.875 332.85,407.298 cw(c335.39,407.298) 333.594,409.094 346.654,422.154 ; 346.654,422.154 ccw(c344.61,424.197) 347.5,424.197 347.5,441.448 cw(c350.04,441.448) 348.244,443.244 352.256,447.256 cw(c354.052,445.46) 354.052,448 402.953,448 cw(c402.953,445.46) 404.749,447.256 424.659,427.346 ccw(c426.702,429.39) 426.702,426.5 437.453,426.5 cw(c437.453,423.96) 439.249,425.756 445.334,419.671 ccw(c447.377,421.715) 447.377,418.825 451.198,418.825 cw(c451.198,418.398) v5(451.5,418.7)
  other v4: 451.43,418.7
J9D4_N: J9.72 OH_CONN2.84 | length 162.3
  Top Layer w0.115: v5(450.5,420.3) ccw(c450.802,420.602) 450.802,420.175 451.625,420.175 451.7,420.25 J9.72@452.75,420.25
  Signal 2 w0.115: v6(330,409.2) ccw(c330.543,409.743) 330.543,408.975 331,408.975 ccw(c331,410.122) 331.811,409.311 345.406,422.906 ccw(c343.61,424.702) 346.15,424.702 346.15,441.948 cw(c349.04,441.948) 346.996,443.991 351.509,448.504 cw(c353.552,446.46) 353.552,449.35 403.453,449.35 cw(c403.453,446.46) 405.496,448.504 425.406,428.594 ccw(c427.202,430.39) 427.202,427.85 437.953,427.85 cw(c437.953,424.96) 439.996,427.004 446.081,420.919 ccw(c447.877,422.715) 447.877,420.175 450.198,420.175 ccw(c450.198,420.602) v5(450.5,420.3)
  other v4: 450.43,420.3 450.57,420.3
J9D4_P: J9.70 OH_CONN2.82 | length 162.3
  Top Layer w0.115: v5(450.5,419.7) cw(c450.802,419.398) 450.802,419.825 451.625,419.825 451.7,419.75 J9.70@452.75,419.75
  Signal 2 w0.115: v6(330,408.4) cw(c330.543,407.857) 330.543,408.625 331,408.625 ccw(c331,410.122) 332.058,409.063 345.654,422.659 ; 345.654,422.659 ccw(c343.61,424.702) 346.5,424.702 346.5,441.948 cw(c349.04,441.948) 347.244,443.744 351.756,448.256 cw(c353.552,446.46) 353.552,449 403.453,449 cw(c403.453,446.46) 405.249,448.256 425.159,428.346 ccw(c427.202,430.39) 427.202,427.5 437.953,427.5 cw(c437.953,424.96) 439.749,426.756 445.834,420.671 ccw(c447.877,422.715) 447.877,419.825 450.198,419.825 cw(c450.198,419.398) v5(450.5,419.7)
  other v4: 450.43,419.7 450.57,419.7
J9D5_N: J9.76 OH_CONN2.88 | length 162.2
  Top Layer w0.25: v5(451.5,421.3) 451.55,421.25 J9.76@452.75,421.25
  Signal 2 w0.115: v6(330,410.8) ccw(c330.543,411.343) 330.543,410.575 331,410.575 ccw(c331,411.963) 331.982,410.982 344.406,423.406 ccw(c342.61,425.202) 345.15,425.202 345.15,442.448 cw(c348.04,442.448) 345.996,444.491 351.009,449.504 cw(c353.052,447.46) 353.052,450.35 416.953,450.35 cw(c416.953,447.46) 418.996,449.504 446.581,421.919 ccw(c448.377,423.715) 448.377,421.175 451.198,421.175 ccw(c451.198,421.602) v5(451.5,421.3)
  other v4: 451.43,421.3
J9D5_P: J9.74 OH_CONN2.86 | length 162.2
  Top Layer w0.25: v5(451.5,420.7) 451.55,420.75 J9.74@452.75,420.75
  Signal 2 w0.115: v6(330,410) cw(c330.543,409.457) 330.543,410.225 331,410.225 ccw(c331,411.963) 332.229,410.734 344.654,423.159 ccw(c342.61,425.202) 345.5,425.202 345.5,442.448 cw(c348.04,442.448) 346.244,444.244 351.256,449.256 cw(c353.052,447.46) 353.052,450 416.953,450 cw(c416.953,447.46) 418.749,449.256 446.334,421.671 ccw(c448.377,423.715) 448.377,420.825 451.198,420.825 cw(c451.198,420.398) v5(451.5,420.7)
  other v4: 451.43,420.7
J9D6_N: J9.80 OH_CONN2.92 | length 162
  Top Layer w0.115: v5(450.5,422.3) ccw(c450.802,422.602) 450.802,422.175 451.625,422.175 451.7,422.25 J9.80@452.75,422.25
  Signal 2 w0.115: v6(330,412.4) ccw(c330.543,412.943) 330.543,412.175 331,412.175 ccw(c331,413.805) 332.152,412.652 343.406,423.906 ccw(c341.61,425.702) 344.15,425.702 344.15,442.948 cw(c347.04,442.948) 344.996,444.991 350.509,450.504 cw(c352.552,448.46) 352.552,451.35 417.453,451.35 cw(c417.453,448.46) 419.496,450.504 447.081,422.919 ccw(c448.877,424.715) 448.877,422.175 450.198,422.175 ccw(c450.198,422.602) v5(450.5,422.3)
  other v4: 450.43,422.3 450.57,422.3
J9D6_P: J9.78 OH_CONN2.90 | length 162
  Top Layer w0.115: v5(450.5,421.7) cw(c450.802,421.398) 450.802,421.825 451.625,421.825 451.7,421.75 J9.78@452.75,421.75
  Signal 2 w0.115: v6(330,411.6) cw(c330.543,411.057) 330.543,411.825 331,411.825 ccw(c331,413.805) 332.4,412.405 343.654,423.659 ; 343.654,423.659 ccw(c341.61,425.702) 344.5,425.702 344.5,442.948 cw(c347.04,442.948) 345.244,444.744 350.756,450.256 cw(c352.552,448.46) 352.552,451 417.453,451 cw(c417.453,448.46) 419.249,450.256 446.834,422.671 ccw(c448.877,424.715) 448.877,421.825 450.198,421.825 cw(c450.198,421.398) v5(450.5,421.7)
  other v4: 450.43,421.7 450.57,421.7
J9D7_N: J9.84 OH_CONN2.96 | length 161.7
  Top Layer w0.25: v5(451.5,423.3) 451.55,423.25 J9.84@452.75,423.25
  Signal 2 w0.115: v6(330,414) ccw(c330.543,414.543) 330.543,413.775 331,413.775 ccw(c331,415.646) 332.323,414.323 342.406,424.406 ccw(c340.61,426.202) 343.15,426.202 343.15,443.448 cw(c346.04,443.448) 343.996,445.491 350.009,451.504 cw(c352.052,449.46) 352.052,452.35 417.953,452.35 cw(c417.953,449.46) 419.996,451.504 447.581,423.919 ccw(c449.377,425.715) 449.377,423.175 451.198,423.175 ccw(c451.198,423.602) v5(451.5,423.3)
  other v4: 451.43,423.3
J9D7_P: J9.82 OH_CONN2.94 | length 161.7
  Top Layer w0.25: v5(451.5,422.7) 451.55,422.75 J9.82@452.75,422.75
  Signal 2 w0.115: v6(330,413.2) cw(c330.543,412.657) 330.543,413.425 331,413.425 ccw(c331,415.646) 332.571,414.076 342.654,424.159 ; 342.654,424.159 ccw(c340.61,426.202) 343.5,426.202 343.5,443.448 cw(c346.04,443.448) 344.244,445.244 350.256,451.256 cw(c352.052,449.46) 352.052,452 417.953,452 cw(c417.953,449.46) 419.749,451.256 447.334,423.671 ccw(c449.377,425.715) 449.377,422.825 451.198,422.825 cw(c451.198,422.398) v5(451.5,422.7)
  other v4: 451.43,422.7
J9D8_N: J9.88 OH_CONN2.100 | length 161.4
  Top Layer w0.115: v5(450.5,424.3) ccw(c450.802,424.602) 450.802,424.175 451.625,424.175 451.7,424.25 J9.88@452.75,424.25
  Signal 2 w0.115: v6(330,415.6) ccw(c330.543,416.143) 330.543,415.375 330.823,415.375 ccw(c330.823,417.915) 332.619,416.119 341.406,424.906 ccw(c339.61,426.702) 342.15,426.702 342.15,443.948 cw(c345.04,443.948) 342.996,445.991 349.509,452.504 cw(c351.552,450.46) 351.552,453.35 418.453,453.35 cw(c418.453,450.46) 420.496,452.504 448.081,424.919 ccw(c449.877,426.715) 449.877,424.175 450.198,424.175 ccw(c450.198,424.602) v5(450.5,424.3)
  other v4: 450.43,424.3 450.57,424.3
J9D8_P: J9.86 OH_CONN2.98 | length 161.4
  Top Layer w0.115: v5(450.5,423.7) cw(c450.802,423.398) 450.802,423.825 451.625,423.825 451.7,423.75 J9.86@452.75,423.75
  Signal 2 w0.115: v6(330,414.8) cw(c330.543,414.257) 330.543,415.025 330.823,415.025 ccw(c330.823,417.915) 332.866,415.871 333.747,416.753 341.654,424.659 ccw(c339.61,426.702) 342.5,426.702 342.5,443.948 cw(c345.04,443.948) 343.244,445.744 349.756,452.256 cw(c351.552,450.46) 351.552,453 418.453,453 cw(c418.453,450.46) 420.249,452.256 447.834,424.671 ccw(c449.877,426.715) 449.877,423.825 450.198,423.825 cw(c450.198,423.398) v5(450.5,423.7)
  other v4: 450.43,423.7 450.57,423.7
J9Reset: J9.52 OH_CONN2.4 | length 352
  Top Layer w0.2: v1(290,364.5) 331.5,364.5 333,366 333,368.4 332.2,369.2 OH_CONN2.4@328.865,369.2 ; v1(449.75,413.75) 451.25,415.25 J9.52@452.75,415.25
  Signal 1 w0.2: v1(290,364.5) 290,423 292,425 323,425 323.75,424.25 323.75,407.25 325.25,405.75 333,405.75 341.75,397 382,397 384.25,399.25 384.25,442 386.5,444.25 404.25,444.25 434.75,413.75 v1(449.75,413.75)
J9RXD_N: J9.96 OH_CONN2.108 | length 234.6
  Top Layer w0.115: v5(450.5,426.3) ccw(c450.802,426.602) 450.802,426.175 451.625,426.175 451.7,426.25 J9.96@452.75,426.25
  Signal 1 w0.115: v6(330,418.8) ccw(c330.543,419.343) 330.543,418.575 331.023,418.575 ccw(c331.023,421.115) 332.819,419.319 340.906,427.406 ccw(c339.11,429.202) 341.65,429.202 341.65,443.948 cw(c344.54,443.948) 342.496,445.991 346.009,449.504 cw(c348.052,447.46) 348.052,450.35 369.596,450.35 ccw(c369.596,450.558) 369.804,450.558 369.804,451.062 cw(c370.362,451.062) 370.362,451.62 370.554,451.62 cw(c370.554,451.062) 371.112,451.062 371.112,449.288 ccw(c371.32,449.288) 371.32,449.08 371.512,449.08 ccw(c371.512,449.288) 371.72,449.288 371.72,451.062 cw(c372.278,451.062) 372.278,451.62 372.47,451.62 cw(c372.47,451.062) 373.028,451.062 373.028,449.288 ccw(c373.236,449.288) 373.236,449.08 373.428,449.08 ccw(c373.428,449.288) 373.636,449.288 373.636,451.062 cw(c374.194,451.062) 374.194,451.62 374.386,451.62 cw(c374.386,451.062) 374.944,451.062 374.944,449.288 ccw(c375.152,449.288) 375.152,449.08 375.344,449.08 ccw(c375.344,449.288) 375.552,449.288 375.552,451.062 cw(c376.11,451.062) 376.11,451.62 376.302,451.62 cw(c376.302,451.062) 376.86,451.062 376.86,449.288 ccw(c377.068,449.288) 377.068,449.08 377.26,449.08 ccw(c377.26,449.288) 377.468,449.288 377.468,451.062 cw(c378.026,451.062) 378.026,451.62 378.218,451.62 cw(c378.218,451.062) 378.776,451.062 378.776,449.288 ccw(c378.984,449.288) 378.984,449.08 379.176,449.08 ccw(c379.176,449.288) 379.384,449.288 379.384,451.062 cw(c379.942,451.062) 379.942,451.62 380.134,451.62 cw(c380.134,451.062) 380.692,451.062 380.692,449.288 ccw(c380.9,449.288) 380.9,449.08 381.092,449.08 ccw(c381.092,449.288) 381.3,449.288 381.3,451.062 cw(c381.858,451.062) 381.858,451.62 382.05,451.62 cw(c382.05,451.062) 382.608,451.062 382.608,449.288 ccw(c382.816,449.288) 382.816,449.08 383.008,449.08 ccw(c383.008,449.288) 383.216,449.288 383.216,451.062 cw(c383.774,451.062) 383.774,451.62 383.966,451.62 cw(c383.966,451.062) 384.524,451.062 384.524,449.288 ccw(c384.732,449.288) 384.732,449.08 384.924,449.08 ccw(c384.924,449.288) 385.132,449.288 385.132,451.062 cw(c385.69,451.062) 385.69,451.62 385.882,451.62 cw(c385.882,451.062) 386.44,451.062 386.44,449.288 ccw(c386.648,449.288) 386.648,449.08 386.84,449.08 ccw(c386.84,449.288) 387.048,449.288 387.048,451.062 cw(c387.606,451.062) 387.606,451.62 387.798,451.62 cw(c387.798,451.062) 388.356,451.062 388.356,449.288 ccw(c388.564,449.288) 388.564,449.08 388.756,449.08 ccw(c388.756,449.288) 388.964,449.288 388.964,451.062 cw(c389.522,451.062) 389.522,451.62 389.714,451.62 cw(c389.714,451.062) 390.272,451.062 390.272,449.288 ccw(c390.48,449.288) 390.48,449.08 390.672,449.08 ccw(c390.672,449.288) 390.88,449.288 390.88,451.062 cw(c391.438,451.062) 391.438,451.62 391.63,451.62 cw(c391.63,451.062) 392.188,451.062 392.188,449.288 ccw(c392.396,449.288) 392.396,449.08 392.588,449.08 ccw(c392.588,449.288) 392.796,449.288 392.796,451.062 cw(c393.354,451.062) 393.354,451.62 393.546,451.62 cw(c393.546,451.062) 394.104,451.062 394.104,449.288 ccw(c394.312,449.288) 394.312,449.08 394.504,449.08 ccw(c394.504,449.288) 394.712,449.288 394.712,451.062 cw(c395.27,451.062) 395.27,451.62 395.462,451.62 cw(c395.462,451.062) 396.02,451.062 396.02,449.288 ccw(c396.228,449.288) 396.228,449.08 396.42,449.08 ccw(c396.42,449.288) 396.628,449.288 396.628,451.062 cw(c397.186,451.062) 397.186,451.62 397.378,451.62 cw(c397.378,451.062) 397.936,451.062 397.936,449.288 ccw(c398.144,449.288) 398.144,449.08 398.336,449.08 ccw(c398.336,449.288) 398.544,449.288 398.544,451.062 cw(c399.102,451.062) 399.102,451.62 399.294,451.62 cw(c399.294,451.062) 399.852,451.062 399.852,449.288 ccw(c400.06,449.288) 400.06,449.08 400.252,449.08 ccw(c400.252,449.288) 400.46,449.288 400.46,451.062 cw(c401.018,451.062) 401.018,451.62 401.21,451.62 cw(c401.21,451.062) 401.768,451.062 401.768,449.288 ccw(c401.976,449.288) 401.976,449.08 402.168,449.08 ccw(c402.168,449.288) 402.376,449.288 402.376,451.062 cw(c402.934,451.062) 402.934,451.62 403.126,451.62 cw(c403.126,451.062) 403.684,451.062 403.684,449.288 ccw(c403.892,449.288) 403.892,449.08 404.084,449.08 ccw(c404.084,449.288) 404.292,449.288 404.292,449.792 cw(c404.85,449.792) 404.85,450.35 420.953,450.35 cw(c420.953,447.46) 422.996,449.504 445.581,426.919 ccw(c447.377,428.715) 447.377,426.175 450.198,426.175 ccw(c450.198,426.602) v5(450.5,426.3)
  other v4: 450.43,426.3 450.57,426.3